# Altium PCB WunderBar_v102b _flip.PcbDoc (part 6 of 7)
Units mil, origin at the board's own origin, x right, y up, seen from the top; angles counter-clockwise.
Board outline 4556.01 x 1552 mil, 4 copper layers (Top, Route2, Route15, Bottom), stack 52.756 mil thick; 380 components, 258 nets, 1391 pads, 528 vias.
Unrouted connection lines stored in the file: 8.
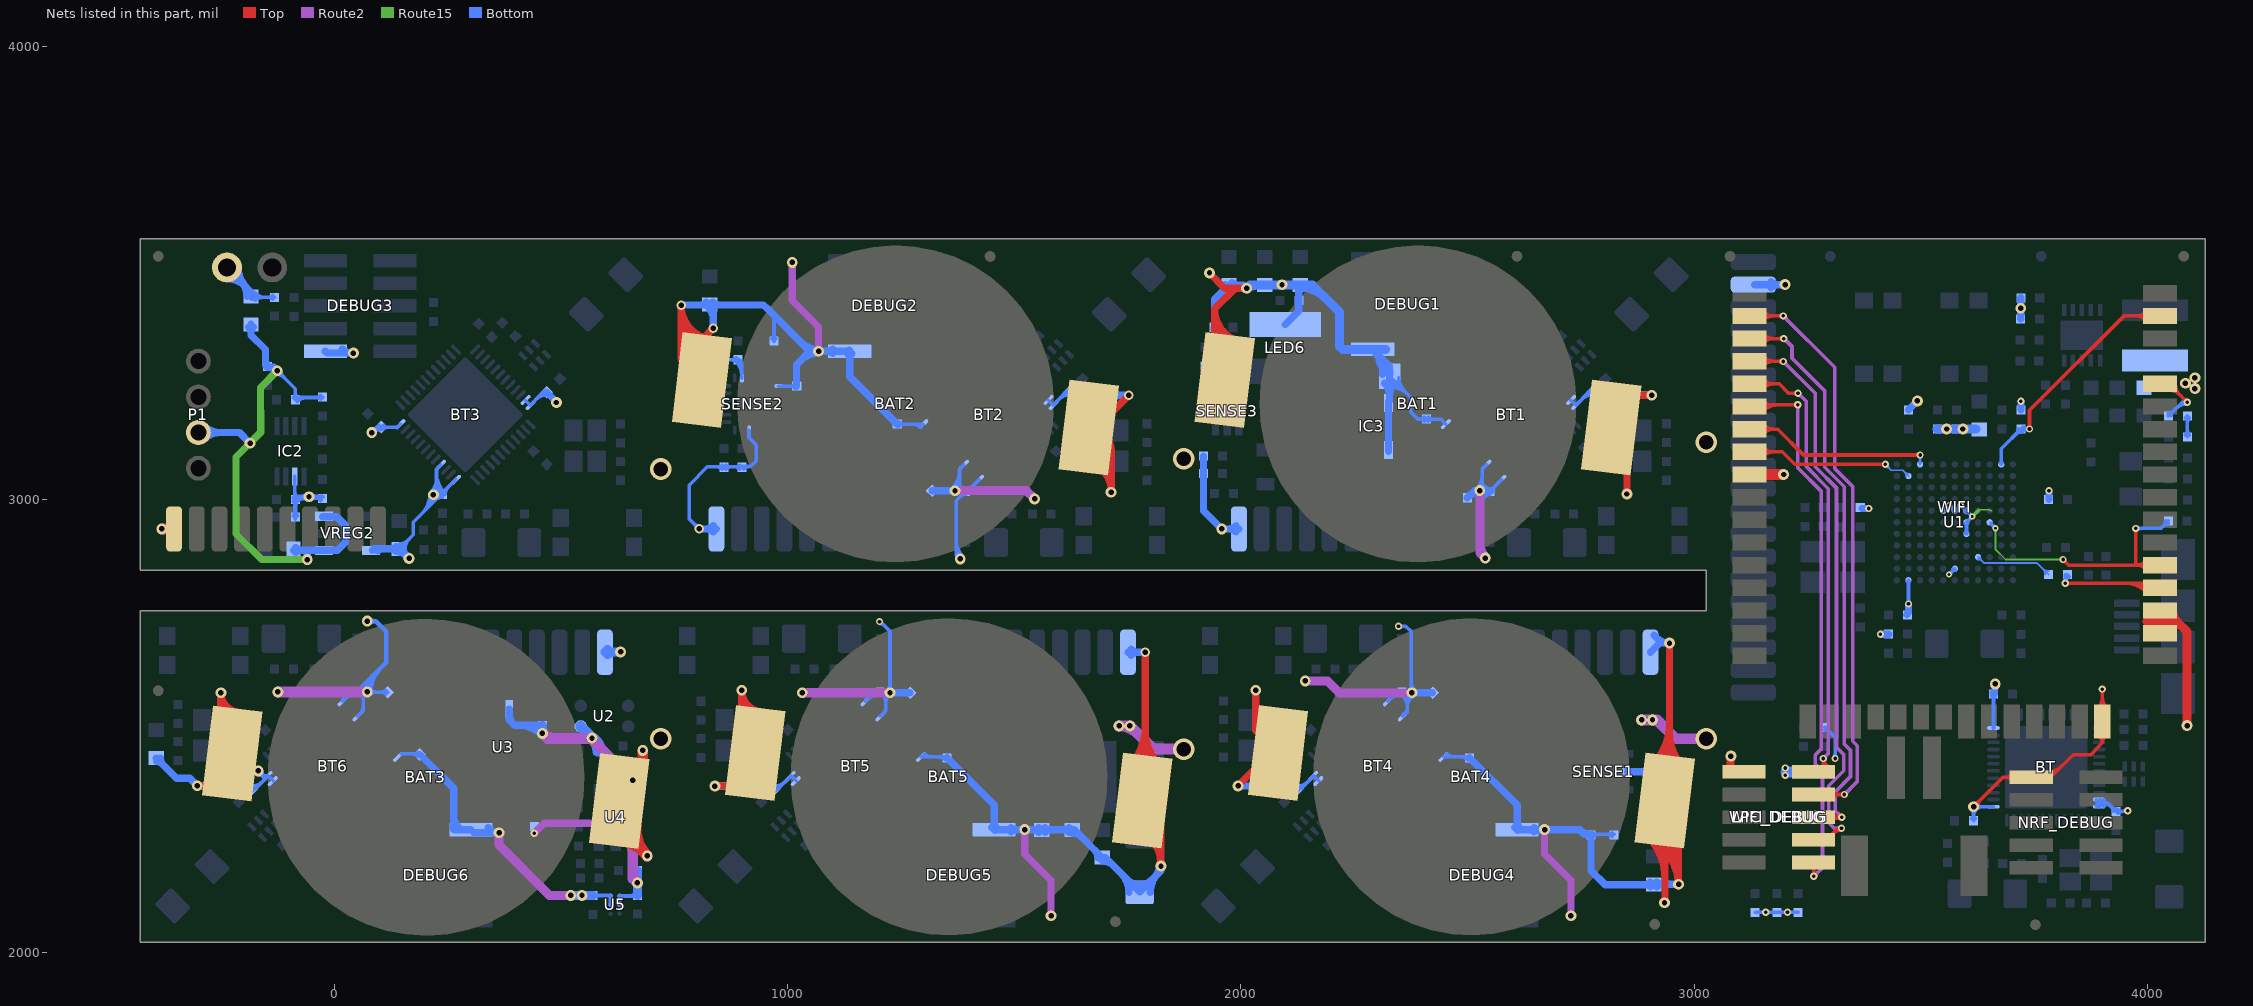
[diagram p8: the nets of this part, all layers, seen from the top]

## Via types
v1: diameter 16, hole 8, Top to Bottom, tented both sides, 282 vias
v2: diameter 24, hole 12, Top to Bottom, tented both sides, 135 vias
v3: diameter 14, hole 6, Top to Bottom, tented both sides, 34 vias
v4: diameter 48/41/41/48 (per signal layer), hole 32, Top to Bottom, 30 vias
v5: diameter 16, hole 8, Top to Route2, tented top, 18 vias
v6: diameter 21/21/21/21 (per signal layer), hole 12, Top to Bottom, tented both sides, 15 vias
v7: diameter 24, hole 12, Top to Route2, tented top, 12 vias
v8: diameter 21/21/21/21 (per signal layer), hole 12, Top to Bottom, 1 vias
v9: diameter 24, hole 8, Top to Bottom, tented both sides, 1 vias

## Nets (pads, with @x,y where several pads share a name; then routed paths per layer and width w, separated by ;. In a path a pad name is that pad's centre, name@x,y a point inside that pad or via, vN(x,y) a via of type N, cw(c..) or ccw(c..) an arc to the next point about the centre after c; other vN are vias at no path point) (continued)
VD33: BAT1.+1 BAT1.+2 BAT2.+1 BAT2.+2 BAT3.+1 BAT3.+2 BAT4.+1 BAT4.+2 BAT5.+1 BAT5.+2 BT1.1 BT1.4 BT1.12 BT1.35 BT1.36 BT2.1 BT2.4 BT2.12 BT2.35 BT2.36 BT3.1 BT3.4 BT3.12 BT3.35 BT3.36 BT4.1 BT4.4 BT4.12 BT4.35 BT4.36 BT5.1 BT5.4 BT5.12 BT5.35 BT5.36 BT6.1 BT6.4 BT6.12 BT6.35 BT6.36 BT.1 BT.12 BT.35 BT.36 C1.1 C2.1 C3.1 C4.1 C5.1 C6.1 C7.1 C10.1 C11.1 C19.1 C25.1 C27.1 C28.1 C29.1 C30.1 C31.1 C37.1 C38.1 C39.1 C41.1 C42.1 C43.1 C49.1 C50.1 C51.1 C52.1 C53.1 C59.1 C60.1 C61.1 C62.1 C63.1 C64.1 C71.1 C72.1 C73.1 C79.1 C81.1 C87.1 C89.1 C107.1 C108.1 C109.1 C110.1 C111.1 DEBUG1.1 DEBUG2.1 DEBUG3.1 DEBUG4.1 DEBUG5.1 DEBUG6.1 IC2.2 IC3.1 IC3.5 L1.2 L2.2 LED6.A LPC_DEBUG.1 NRF_DEBUG.1 PAD2.1 PAD17.1 PAD27.1 PAD37.1 PAD47.1 PAD52.1 R2.2 R6.1 R9.2 R10.2 R11.2 R12.2 R14.2 R16.2 R19.2 R20.2 R21.2 R23.2 R24.2 R27.2 R38.2 R39.2 R40.2 R41.2 R43.1 R44.2 R45.2 R54.1 R55.1 R57.1 R58.1 SENSE1.5 SENSE2.8 SENSE2.13 SENSE2.22 U1.E5 U1.E6 U1.E7 U1.F5 U1.G5 U1.K6 U1.L10 U5.2A U5.2B VD33.1 VREG2.5 WIFI.9 WIFI.31 WIFI.33 WIFI.34 WIFI_DEBUG.1 | length 25996
  Top w8: WIFI_DEBUG.1@3109.52,2399.48 3118.52,2390.48 WIFI_DEBUG.1@3150.52,2390.48 ; v2(3616.52,2322.48) 3681.52,2387.48 3786.52,2387.48 3836.52,2437.48 3875.52,2437.48 3900.52,2463.48 ; v2@3616.52,2330.48 ccw(c3616.52,2349.79) 3630.18,2336.14 ccw(c3643.83,2322.48) v2@3624.52,2322.48 ; NRF_DEBUG.1@3703.47,2379.7 ccw(c3684.69,2360.92) 3684.69,2387.48 ccw(c3684.69,2414.04) NRF_DEBUG.1@3703.47,2395.26 ; NRF_DEBUG.1@3776.25,2390.48 ccw(c3776.25,2422.52) 3798.9,2399.86 ; NRF_DEBUG.1@3776.25,2398.48 ccw(c3776.25,2449.83) 3812.56,2413.52 ; WIFI.31@3890.62,2539.88 ccw(c3866.72,2563.78) 3900.52,2563.78 ccw(c3934.32,2563.78) WIFI.31@3910.42,2539.88 ; WIFI.31@3892.28,2479.66 cw(c3880.51,2463.48) 3900.52,2463.48 ; v1@3897.69,2579.17 cw(c3890.86,2572.34) 3900.52,2572.34 cw(c3910.18,2572.34) v1@3903.35,2579.17 ; v1(3900.52,2582) WIFI.31@3900.52,2510.48 3900.52,2463.48 ; WIFI.31@3908.76,2479.66 ccw(c3920.53,2463.48) 3900.52,2463.48
  Top w16: v2(-303.1,2368.86) -278.86,2368.86 -274,2364 -274,2391.16 BAT3.+1@-225.28,2439.88 -251,2465.61 v2(-251,2574) ccw(c-207.74,2574) BAT3.+1@-213.52,2531.13 ; BAT3.+1@-280.6,2368.86 cw(c-280.6,2345.38) BAT3.+1@-263.99,2361.99 ; BAT3.+1@-251,2537.4 ccw(c-212.67,2537.4) BAT3.+1@-217.79,2499.41 ; -251,2555.7 ccw(c-210.21,2555.7) BAT3.+1@-215.65,2515.27 ; BAT3.+2@617,2323.76 BAT3.+2@628.31,2335.08 670,2376.76 670,2406 BAT3.+2@680,2416 ; BAT3.+2@650,2254 BAT3.+2@650,2319.76 ; BAT2.+2@764.52,3331.45 ccw(c820.89,3331.45) BAT2.+2@809.59,3276.22 ; 764.52,3351.05 ccw(c824.91,3351.05) BAT2.+2@812.8,3291.89 ; 764.52,3370.66 ccw(c828.92,3370.66) BAT2.+2@816.01,3307.57 ; 764.52,3390.27 ccw(c832.93,3390.27) BAT2.+2@819.22,3323.24 ; 764.52,3409.87 ccw(c836.94,3409.87) BAT2.+2@822.42,3338.92 ; BAT2.+2@825.63,3354.59 cw(c840.95,3429.48) v6(764.52,3429.48) 764.52,3309.48 810.52,3263.48 810.52,3353.48 v6(835.52,3378.48) ; v2@839.52,2368.48 874.52,2368.48 928.52,2422.48 928.52,2440.48 898.52,2470.48 v2(898.52,2579.48) ccw(c946.21,2579.48) BAT5.+1@940.17,2532.17 ; BAT5.+1@898.52,2543.13 ccw(c941.57,2543.13) BAT5.+1@936.11,2500.43 ; 898.52,2561.3 ccw(c943.89,2561.3) BAT5.+1@938.14,2516.3 ; BAT2.+1@1655.8,3083.56 cw(c1649.55,3019.9) v2@1713.52,3019.9 ; BAT2.+1@1657.36,3099.48 cw(c1651.28,3037.54) 1713.52,3037.54 ; BAT2.+1@1658.93,3115.41 cw(c1653.02,3055.19) 1713.52,3055.19 ; BAT2.+1@1660.49,3131.33 cw(c1654.75,3072.84) 1713.52,3072.84 ; BAT2.+1@1662.06,3147.25 cw(c1656.48,3090.49) 1713.52,3090.49 ; BAT2.+1@1663.62,3163.18 cw(c1658.21,3108.14) 1713.52,3108.14 ; v2(1713.52,3016.48) 1713.52,3109.48 1664.52,3158.48 1680.52,3158.48 v6(1752.52,3230.48) ; BAT5.+2@1754.56,2413.98 ccw(c1672.59,2495.95) 1788.52,2495.95 ; BAT5.+2@1765.88,2402.66 ccw(c1711.22,2457.32) 1788.52,2457.32 ; BAT5.+2@1771.82,2260.82 cw(c1761.84,2199.95) v2@1823.52,2199.95 ; BAT5.+2@1774.4,2276.61 cw(c1764.93,2218.79) 1823.52,2218.79 ; BAT5.+2@1776.99,2292.4 cw(c1768.01,2237.62) BAT5.+2@1823.52,2237.62 ; BAT5.+2@1779.58,2308.19 cw(c1771.1,2256.46) BAT5.+2@1823.52,2256.46 ; 1788.52,2453.84 ccw(c1860.9,2453.84) BAT5.+2@1809.72,2402.66 ; 1788.52,2492.47 ccw(c1899.53,2492.47) BAT5.+2@1821.03,2413.98 ; v8(1788.52,2663.48) 1788.52,2342.48 1782.52,2335.48 1823.52,2294.48 v2(1823.52,2191.48) ; v2@1820.06,2193.48 ccw(c1805.21,2202.05) 1821.77,2206.49 ; v2(1930.52,3500.48) 1963.52,3466.48 v2(2012.52,3466.48) 1987.52,3466.48 1941.52,3421.48 ; 1941.52,3373.09 ccw(c1996.66,3373.09) BAT1.+2@1975.08,3322.35 ; 1941.52,3397.28 ccw(c2006.95,3397.28) BAT1.+2@1981.34,3337.08 ; BAT1.+2@1963.52,3263.48 1941.52,3285.48 1941.52,3421.48 ; BAT1.+2@1987.6,3351.8 cw(c2017.23,3421.48) 1941.52,3421.48 ; v2(1993.52,2368.48) 2065.52,2440.48 2082.52,2440.48 2032.52,2490.48 v2(2032.52,2579.48) ; v2(2851.52,3012.48) 2851.52,3124.48 2817.52,3158.48 2817.52,3182.48 2865.52,3230.48 v2(2906.52,3230.48) ; BAT4.+2@2896.6,2258.18 cw(c2802.63,2164.21) 2935.52,2164.21 ; BAT4.+2@2906.04,2250.88 cw(c2845.09,2147.01) v2@2965.52,2147.01 ; BAT4.+2@2907.56,2413.98 ccw(c2815.93,2505.61) 2945.52,2505.61 ; BAT4.+2@2907.91,2269.49 cw(c2841.25,2202.84) 2935.52,2202.84 ; BAT4.+2@2914.14,2264.68 cw(c2861.48,2174.95) 2965.52,2174.95 ; BAT4.+2@2918.88,2402.66 ccw(c2854.56,2466.98) 2945.52,2466.98 ; BAT4.+2@2922.24,2278.48 cw(c2877.88,2202.89) 2965.52,2202.89 ; BAT4.+2@2930.34,2292.27 cw(c2894.28,2230.83) 2965.52,2230.83 ; v2@2931.69,2113.31 ccw(c2922.45,2122.55) 2935.52,2122.55 ; v2(2934.52,2110.48) 2935.52,2112.48 BAT4.+2@2935.52,2335.48 ; 2935.52,2191.68 cw(c3029.56,2191.68) BAT4.+2@2963.06,2258.18 ; 2935.52,2230.31 cw(c2990.94,2230.31) BAT4.+2@2951.75,2269.49 ; 2945.52,2444.18 ccw(c3004.24,2444.18) BAT4.+2@2962.72,2402.66 ; 2945.52,2482.81 ccw(c3042.87,2482.81) BAT4.+2@2974.03,2413.98 ; v2(2945.52,2683.48) 2945.52,2345.48 BAT4.+2@2935.52,2335.48 ; v2(2965.52,2151.48) 2965.52,2305.48 BAT4.+2@2935.52,2335.48 ; WIFI_DEBUG.1@3072.3,2404.43 ccw(c3051.38,2425.35) v2@3080.96,2425.35 ; v2@3077.5,2432.33 cw(c3062.26,2423.54) 3079.26,2418.98 ; WIFI_DEBUG.1@3080.96,2398.18 v2(3080.96,2434.33)
  Top w20: 3999,2731 4065,2731 ; WIFI.34@4055.51,2755.18 ccw(c4087.95,2753.96) 4065,2731 ; WIFI.34@4055.52,2755.48 ccw(c4091.73,2755.48) 4066.13,2729.87 ; v2(4087.52,2501.48) 4087.52,2708.48 4065,2731
  Top w24: v2(-381.48,2935.48) PAD47.1@-354.13,2935.48 ; BAT3.+2@622.83,2247.41 cw(c622.83,2165.91) 680.46,2223.54 ; BAT3.+2@650,2254 v2(690,2214) cw(c750.67,2274.67) BAT3.+2@665.51,2285.16 ; BAT3.+2@680,2416 v2(680,2446.7) ; WIFI.9@3122.52,3055.48 v2(3197.52,3055.48)
  Route2 w16: v2(1010,3523.48) 1010,3439.48 1068,3381.48 v7(1068,3327.48) ; v7(1523,2272) 1523,2218 1581,2160 v2(1581,2082) ; v7(2670,2272) 2670,2218 2728,2160 v2(2728,2082)
  Route2 w20: v7(363,2265) 363,2238 474,2127 v2(521,2127) ; v2(1032.02,2574.02) v7(1225.52,2574.02) ; v7(1369,3019.77) 1526.5,3019.77 v2(1544.5,3001.77) ; v2(2141.73,2600) 2190.6,2600 2216.73,2573.87 v7(2377.22,2573.87) ; 2527,2904.8 ccw(c2572.8,2904.8) v2@2540.41,2872.41 ; v7(2527,3019.95) 2527,2883 v2(2539,2871)
  Route2 w24: v2@-125,2575.91 v7(72,2575.91) ; 1771.97,2484.03 ccw(c1731,2443.06) v2(1731,2501) v2(1755,2501) 1806.52,2449.48 v4(1873.52,2449.48) ; v4@1867.51,2443.47 ccw(c1853,2428.96) 1853,2449.48 ccw(c1853,2470) v4@1867.51,2455.49 ; v2(2884,2514) 2918,2514 2959.52,2472.48 v4(3026.52,2472.48) ; v2(2908,2514) cw(c2908,2489.86) 2925.07,2506.93 ; v4@3020.51,2466.47 ccw(c3006,2451.96) 3006,2472.48 ccw(c3006,2493) v4@3020.51,2478.49
  Route15 w4: 3627.23,2976.48 3628.42,2977.68 3651.32,2977.68 3653.4,2975.6 3656.51,2975.6
  Route15 w8: v3(3613.6,2962.85) 3627.23,2976.48
  Bottom w8: C71.1@-181.86,2368.1 ccw(c-181.86,2399.48) -159.67,2377.29 ; C71.1@-181.48,2362.48 -174.48,2362.48 BT6.36@-146.48,2390.48 ; v2@-168.62,2393.48 cw(c-168.9,2376.6) BT6.36@-154.66,2385.67 ; v2(-168.48,2401.48) -156.48,2390.48 ; v2@-168.13,2393.49 cw(c-167.43,2377.26) BT6.36@-153.73,2385.99 ; v2@-167.11,2393.6 cw(c-164.97,2381.22) -156.48,2390.48 ; v2@-166.74,2393.67 cw(c-164.49,2383.53) -155.72,2389.11 ; v2@-165.4,2394.1 cw(c-163.3,2389.04) -158.68,2391.98 ; v2@-160.51,2400.8 ccw(c-147.99,2399.74) -156.48,2390.48 ; -159.48,2393.23 cw(c-169.25,2382.57) -154.8,2383.2 ccw(c-161.58,2385.46) -156.75,2390.73 ; BT6.35@-135.48,2379.48 BT6.36@-146.48,2390.48 ; R44.2@-90.72,3004.72 ccw(c-98.55,3012.55) -87.48,3012.55 ; -87.48,3017.38 ccw(c-69.58,3017.38) R44.2@-82.24,3004.72 ; IC2.2@-87.48,3051.48 -87.48,3001.48 R44.2@-86.48,3000.48 -85.48,2999.48 R44.2@-81.48,3003.48 ; R45.2@-86.48,2956.48 R45.2@-86.48,2961.48 ; BT6.1@17.13,2555.12 40.2,2578.2 47.33,2578.2 C73.1@51.15,2582.02 ; BT6.1@20.09,2558.09 cw(c49.33,2528.85) 49.33,2570.2 cw(c49.33,2555.72) 59.57,2565.96 cw(c69.82,2576.2) C73.1@55.33,2576.2 ; 33.75,2571.75 cw(c49.33,2556.17) C73.1@49.33,2578.2 ; C73.1@49.33,2576.2 C73.1@49.62,2575.91 ; BT6.4@50.36,2521.89 63,2534.53 63,2562.53 50.09,2575.45 R43.1@117.38,2575.45 ; C73.1@51.56,2575.45 ccw(c51.56,2596.36) 66.34,2581.57 ; C73.1@53.57,2571.96 cw(c62,2563.54) 62,2575.45 ; C73.1@53.57,2580.44 ccw(c65.64,2592.51) 65.64,2575.45 ; C73.1@53.82,2575.45 cw(c53.82,2557.73) 66.34,2570.26 ; BT6.4@57.43,2528.96 ccw(c43.99,2542.4) 63,2542.4 ; 64.68,2579.15 cw(c57.62,2582.27) 59.62,2574.81 cw(c60.77,2570.49) 64.8,2572.44 ; 77.66,2570.26 cw(c90.18,2557.73) 90.18,2575.45 ; 77.66,2581.57 ccw(c92.44,2596.36) 92.44,2575.45 ; v2@82.1,3155.83 ccw(c82.1,3175.14) 95.75,3161.48 ccw(c109.41,3147.83) v2@90.1,3147.83 ; v2@86.94,3154.19 ccw(c89.99,3158.21) 92.51,3153.84 ccw(c95.03,3149.47) v2@90.03,3148.84 ; C63.1@98.62,3164.35 v2(82.1,3147.83) cw(c98.53,3131.4) C63.1@101.78,3154.4 ; C63.1@102.62,3160.35 137.65,3159.14 BT3.12@145.52,3166.48 ; C63.1@106.71,3155.96 cw(c116.59,3145.37) 117.09,3159.85 cw(c117.59,3174.32) C63.1@107,3164.44 ; R43.1@113.13,2571.2 ccw(c102.89,2560.96) 102.89,2575.45 ccw(c102.89,2589.93) R43.1@113.13,2579.69 ; C87.1@142.52,2891.48 173.52,2922.48 173.52,2950.48 C64.1@233.82,3010.78 ; C87.1@144.02,2902.48 ccw(c144.02,2925.42) 160.24,2909.2 ; BT6.12@146.89,2439.36 147.25,2439 C72.1@188.36,2439 ; C87.1@155.52,2890.98 cw(c188.11,2890.98) 165.07,2914.03 ; 170.76,2439 cw(c170.76,2420.11) C72.1@184.12,2433.47 ; C72.1@176.99,2439 ccw(c176.99,2449.08) C72.1@184.12,2441.95 ; 193.36,2970.32 ccw(c152.9,3010.78) v2@210.12,3010.78 ; 207.02,2983.98 ccw(c180.21,3010.78) v2(218.12,3010.78) ccw(c201.51,3027.39) 225,3027.39 ; v2@212.46,3016.44 ccw(c182.19,3046.71) 225,3046.71 ; 220.67,2997.63 ccw(c207.53,3010.78) v2@226.12,3010.78 ; 222.01,2998.97 cw(c238.19,2982.78) C64.1@238.19,3005.67 ; v2@225,3010.78 225,3067.39 BT3.4@234.68,3077.07 ; v2@225,3019.37 ccw(c245.89,3019.37) C64.1@231.12,3004.6 ; 225,3038.68 ccw(c265.2,3038.68) C64.1@236.77,3010.26 ; 225,3058 ccw(c284.52,3058) C64.1@242.43,3015.91 ; 225,3063.7 cw(c233.91,3063.7) BT3.4@227.61,3070 ; C64.1@236.45,3013.41 BT3.1@267.52,3044.48 ; C64.1@244.19,3011.67 cw(c267.08,3011.67) 250.89,3027.85 ; DEBUG6.1@301.28,2271.49 DEBUG6.1@307.77,2265 ; BT3.35@420.52,3219.48 431.52,3208.48 460.52,3237.48 467.52,3237.48 C62.1@473.52,3230.48 ; 444,3220.97 cw(c467.9,3197.07) C62.1@467.9,3230.86 ; C62.1@457.66,3234.62 cw(c467.9,3224.38) C62.1@467.9,3238.86 ; U5.2A@608.17,2126.67 U5.2A@609.16,2125.68 ; v6@759.92,3424.88 cw(c748.83,3413.79) 764.52,3413.79 cw(c780.21,3413.79) v6@769.12,3424.88 ; v6(764.52,3429.48) 764.52,3329.48 785.52,3308.48 890.52,3308.48 898.52,3300.48 SENSE2.8@898.52,3268.48 ; v6@798.02,2935.48 ccw(c782.33,2935.48) 793.42,2946.58 ccw(c804.52,2957.67) v6@804.52,2941.98 ; v6(804.52,2935.48) 782.52,2957.48 782.52,3031.48 822.52,3072.48 898.52,3072.48 899.52,3073.48 918.52,3073.48 930.52,3085.48 930.52,3120.48 914.52,3136.48 SENSE2.22@914.52,3153.48 ; 842.62,3072.48 cw(c842.62,3054.58) R20.2@855.28,3067.24 ; 847.45,3072.48 ccw(c847.45,3083.55) R20.2@855.28,3075.72 ; R20.2@863.76,3067.24 cw(c876.42,3054.58) 876.42,3072.48 ; R20.2@863.76,3075.72 ccw(c871.59,3083.55) 871.59,3072.48 ; 875.24,3308.48 ccw(c875.24,3324.09) C39.1@886.28,3313.05 ; 876.83,3308.48 cw(c876.83,3295.12) 886.28,3304.57 cw(c856.72,3275.01) SENSE2.8@898.52,3275.01 ; 881.62,3072.48 cw(c881.62,3054.58) R19.2@894.28,3067.24 ; 886.45,3072.48 ccw(c886.45,3083.55) R19.2@894.28,3075.72 ; C39.1@891.93,3310.23 cw(c876.03,3294.33) 898.52,3294.33 ; R19.2@902.76,3067.24 cw(c917.83,3052.17) 917.83,3073.48 ; 961.52,3415.48 969.52,3406.48 R21.2@969.52,3349.48 ; R21.2@965.28,3354.72 ccw(c955.03,3364.97) 969.52,3364.97 ccw(c984.01,3364.97) R21.2@973.76,3354.72 ; C51.1@971.24,2368.09 ccw(c971.79,2399.14) 993.35,2376.8 ; C51.1@971.52,2362.48 978.52,2362.48 1007.52,2390.48 BT5.35@1018.52,2379.48 ; SENSE2.13@979.52,3250.48 C38.1@1019.52,3250.48 ; C38.1@1015.61,3246.24 ccw(c1005.37,3235.99) 1005.37,3250.48 ccw(c1005.37,3264.97) C38.1@1015.61,3254.72 ; BT5.1@1171.13,2555.12 1191.77,2575.76 ; BT5.1@1173.49,2557.48 cw(c1203.14,2527.83) C53.1@1203.14,2569.76 ; 1187.14,2571.14 cw(c1203.14,2555.14) C53.1@1203.14,2577.76 ; C53.1@1198.18,2572.38 ccw(c1191.77,2567.99) 1191.77,2575.76 ; C53.1@1198.18,2579.15 cw(c1191.77,2583.54) 1191.77,2575.76 ; v1@1202.52,2727 cw(c1202.52,2713.77) 1211.88,2723.12 ; v1(1202.52,2731) 1204,2731 1225.52,2709.48 v7(1225.52,2574.02) ; C53.1@1203.14,2575.76 1191.77,2575.76 ; BT5.4@1204.36,2521.89 1216.44,2533.97 1216.44,2573.46 1217,2574.02 ; C53.1@1204.49,2577.24 cw(c1179.61,2550.08) 1216.44,2550.08 ; BT5.4@1211.43,2528.96 ccw(c1199.34,2541.05) 1216.44,2541.05 ; 1216.44,2552.19 cw(c1247.23,2552.19) v7(1225.52,2574.02) ; 1219.86,2579.68 ccw(c1206.21,2593.34) 1225.52,2593.34 ccw(c1244.83,2593.34) 1231.18,2579.68 ; 1225.52,2571 v7(1225.52,2574.02) ; C30.1@1241.52,3166.48 BT2.12@1298.52,3166.48 ; C30.1@1245.76,3162.57 cw(c1255.21,3153.12) 1255.21,3166.48 ; C30.1@1245.76,3171.05 ccw(c1256.8,3182.09) 1256.8,3166.48 ; 1275.3,3166.48 cw(c1275.3,3142.75) BT2.12@1292.08,3159.53 ; BT5.12@1293.52,2432.48 1349.52,2432.48 C52.1@1351.52,2430.48 ; BT2.12@1294.61,3166.48 cw(c1294.61,3162.06) BT2.12@1297.74,3165.19 ; BT5.12@1295.3,2433.77 ccw(c1298.43,2436.9) BT5.12@1298.43,2432.48 ; BT5.12@1300.96,2439.43 ccw(c1317.74,2456.21) 1317.74,2432.48 ; 1331.41,2432.48 cw(c1331.41,2410.04) C52.1@1347.28,2425.91 ; 1363.34,3025.42 ccw(c1325.5,3063.26) 1379.02,3063.26 ; v7(1369,3019.77) ccw(c1344.82,3043.95) 1379.02,3043.95 ; 1371.52,2891.21 ccw(c1402.25,2891.21) v2(1380.52,2869.48) 1371.52,2878.48 ; 1371.52,2910.52 ccw(c1421.56,2910.52) v2@1386.18,2875.14 ; v2@1372.97,2872.12 ccw(c1367.19,2874.15) 1371.52,2878.48 ; v2@1377.88,2877.03 cw(c1375.85,2882.81) 1371.52,2878.48 ; 1379.02,3063.74 cw(c1387.87,3063.74) BT2.4@1381.61,3070 ; BT2.4@1388.68,3077.07 1379.02,3067.41 1379.02,3031.36 C31.1@1390.61,3019.77 ; C31.1@1392.19,3012.19 ccw(c1392.19,2997.7) 1381.95,3007.95 ccw(c1371.7,3018.19) 1386.19,3018.19 ccw(c1371.7,3018.19) 1381.95,3028.43 ccw(c1392.19,3038.67) 1392.19,3024.19 ccw(c1392.19,3048.51) 1409.39,3031.31 ; BT2.1@1421.91,3043.84 1396.26,3018.19 C31.1@1392.19,3018.19 1371.52,2997.52 1371.52,2878.48 ; BT2.35@1574.52,3219.48 1585.52,3208.48 1613.52,3237.48 1620.52,3237.48 C29.1@1627.52,3230.48 ; 1597.09,3220.46 cw(c1621.61,3196.79) C29.1@1621.01,3230.87 ; C29.1@1610.5,3234.36 cw(c1621.13,3224.1) C29.1@1620.87,3238.86 ; R12.2@1936.28,3376.24 cw(c1926.03,3365.99) 1940.52,3365.99 cw(c1955.01,3365.99) R12.2@1944.76,3376.24 ; R12.2@1940.52,3380.48 1940.52,3354.48 R6.1@1959.52,3336.48 ; 1948.75,3346.68 cw(c1938.22,3335.57) R6.1@1953.52,3335.99 ; R6.1@1949.59,3345.89 ccw(c1958.99,3355.81) R6.1@1959.36,3342.15 ; C41.1@2118.52,2368.48 2125.52,2362.48 2132.52,2362.48 2160.52,2390.48 BT4.35@2171.52,2379.48 ; C41.1@2125.14,2368.1 ccw(c2125.14,2399.48) 2147.33,2377.29 ; BT4.1@2324.13,2555.12 2344.62,2575.62 ; BT4.1@2327.15,2558.14 cw(c2354.84,2530.45) C43.1@2354.84,2569.62 ; L2.2@2328.52,3248.48 cw(c2328.52,3190.54) 2369.49,3231.51 ; L2.2@2328.52,3256.48 cw(c2328.52,3217.85) 2355.83,3245.17 ; L2.2@2328.52,3272.48 2374.78,3226.22 2374.78,3193.41 2390.35,3177.85 C2.1@2409.13,3177.85 2440.9,3177.85 BT1.12@2452.15,3166.6 ; 2340.8,2571.8 cw(c2354.84,2557.76) C43.1@2354.84,2577.62 ; v1(2347.52,2720.48) 2363.52,2720.48 2375.52,2709.48 2375.52,2571 ; L2.2@2348.52,3268.48 ccw(c2387.15,3268.48) 2359.83,3241.17 ; C43.1@2349.6,2572.69 ccw(c2344.62,2569.91) 2344.62,2575.62 ; C43.1@2349.6,2578.54 cw(c2344.62,2581.32) 2344.62,2575.62 ; v1@2350.35,2717.65 cw(c2357.18,2710.82) 2357.18,2720.48 cw(c2357.18,2730.14) v1@2350.35,2723.31 ; C43.1@2351.77,2570.46 cw(c2335.83,2543.68) 2367,2543.68 ; C43.1@2355.86,2577.33 cw(c2344.21,2557.75) 2367,2557.75 ; C43.1@2357.31,2573.96 2355.66,2575.62 2344.62,2575.62 ; BT4.4@2357.36,2521.89 2357.36,2524.85 2367.02,2534.51 ; 2366.53,2534.02 ccw(c2371.58,2528.96) BT4.4@2364.43,2528.96 ; 2367.02,2535.22 cw(c2358.17,2535.22) BT4.4@2364.43,2528.96 ; 2367,2544.26 cw(c2392.17,2544.26) 2380.83,2566.73 ; 2367.02,2546.06 2367.02,2534.51 ; 2367,2546.08 2367,2573.96 ; 2367,2557.26 cw(c2385.61,2557.26) v7(2377.22,2573.87) ; 2371.57,2579.53 ccw(c2362.03,2589.07) 2375.52,2589.07 ; 2375.52,2597.3 ccw(c2400.65,2597.3) 2382.88,2579.53 ; C2.1@2404.89,3173.61 ccw(c2394.65,3163.36) 2394.65,3177.85 ccw(c2394.65,3192.33) C2.1@2404.89,3182.09 ; C2.1@2413.38,3173.61 cw(c2423.62,3163.36) 2423.62,3177.85 cw(c2423.62,3192.33) C2.1@2413.38,3182.09 ; BT4.12@2447.52,2432.48 2503.52,2432.48 C42.1@2504.52,2430.48 ; BT4.12@2448.3,2433.77 ccw(c2451.43,2436.9) BT4.12@2451.43,2432.48 ; BT4.12@2453.96,2439.43 ccw(c2470.74,2456.21) 2470.74,2432.48 ; 2484.41,2432.48 cw(c2484.41,2410.04) C42.1@2500.28,2425.91 ; 2521.34,3025.61 ccw(c2495.62,3051.33) 2532,3051.33 ; 2525.89,3027.87 ccw(c2524.91,3034.9) 2532,3034.9 ; v7(2527,3019.95) ccw(c2514.93,3032.02) 2532,3032.02 ; v2@2531.17,2872.62 ccw(c2521.64,2874.6) 2528.52,2881.48 ; 2532,3063.7 cw(c2540.91,3063.7) BT1.4@2534.61,3070 ; v2@2537.38,2878.83 cw(c2535.4,2888.36) 2528.52,2881.48 ; v2(2539,2871) 2528.52,2881.48 ; BT1.4@2541.68,3077.07 2532,3067.39 2532,3034.9 ; C19.1@2546.95,3019.95 2532,3034.9 ; C19.1@2549.19,3011.71 ccw(c2549.19,2997.22) 2538.95,3007.47 ccw(c2528.7,3017.71) 2543.19,3017.71 ccw(c2528.7,3017.71) 2538.95,3027.95 ccw(c2549.19,3038.19) 2549.19,3023.71 ccw(c2549.19,3037.22) C19.1@2558.74,3027.67 ; C19.1@2555.19,3017.71 cw(c2570.65,3017.71) 2559.72,3028.64 ; BT1.1@2574.91,3043.84 2549.19,3018.11 C19.1@2549.19,3017.71 2528.52,2997.04 2528.52,2881.48 ; BT1.35@2727.52,3219.48 2739.52,3208.48 2767.52,3237.48 2774.52,3237.48 C1.1@2780.52,3230.48 ; 2751.09,3220.46 cw(c2775.61,3196.79) C1.1@2775.01,3230.87 ; C1.1@2764.5,3234.36 cw(c2775.13,3224.1) C1.1@2774.87,3238.86 ; R23.2@2772.52,2261.48 R24.2@2823.52,2261.48 ; R23.2@2776.76,2256.24 cw(c2789.42,2243.58) 2789.42,2261.48 ; R23.2@2776.76,2264.72 ccw(c2784.59,2272.55) 2784.59,2261.48 ; 2806.62,2261.48 cw(c2806.62,2243.58) R24.2@2819.28,2256.24 ; 2811.45,2261.48 ccw(c2811.45,2272.55) R24.2@2819.28,2264.72 ; R38.2@3134.52,2089.48 v1(3158,2089.48) R39.2@3182.52,2089.48 v1(3206,2089.48) R14.2@3229.52,2089.48 ; R41.2@3288.52,2491.48 cw(c3288.52,2476.99) 3298.76,2487.24 cw(c3309.01,2497.48) R41.2@3294.52,2497.48 ; R41.2@3288.52,2497.48 3311,2475 v1(3311,2429) ; v1@3308.17,2431.83 ccw(c3301.34,2438.66) 3311,2438.66 ccw(c3320.66,2438.66) v1@3313.83,2431.83 ; C3.1@3464.91,2745.48 C3.1@3467.91,2748.48 ; v1@3470.17,2772.83 ccw(c3463.69,2779.31) 3472.86,2779.31 ; U1.L10@3470.73,2819.96 cw(c3465.61,2814.84) 3472.86,2814.84 cw(c3480.1,2814.84) U1.L10@3474.98,2819.96 ; v1@3472.86,2762.05 U1.L10@3472.86,2822.08 ; 3472.86,2780.01 ccw(c3483.01,2780.01) v1@3475.83,2772.83 ; U1.E7@3549.64,2975.61 v3(3562.4,2988.38) U1.E6@3575.22,2975.6 v3(3587.99,2988.38) U1.E5@3600.82,2975.61 ; U1.E7@3549.64,2978.61 ccw(c3549.64,2985.85) 3554.75,2980.73 ccw(c3559.88,2975.61) U1.E7@3552.64,2975.61 ; v3@3559.4,2988.38 cw(c3552.15,2988.38) 3557.27,2983.25 cw(c3562.4,2978.13) 3562.4,2985.38 cw(c3562.4,2978.11) 3567.53,2983.25 ; v3(3562.43,2834.84) U1.K6@3575.23,2847.64 ; v3@3562.43,2837.84 ccw(c3562.43,2845.06) 3567.54,2839.95 ; v3@3565.4,2988.38 ccw(c3572.61,2988.38) 3567.51,2983.27 ; v3@3565.43,2834.84 cw(c3572.7,2834.84) 3567.56,2839.98 ; 3570.04,2980.75 ccw(c3575.22,2985.93) 3575.22,2978.6 ccw(c3575.22,2985.82) 3580.32,2980.71 ; 3570.08,2842.5 ccw(c3564.93,2847.65) U1.K6@3572.22,2847.65 ; 3570.12,2980.66 cw(c3565.06,2975.6) U1.E6@3572.22,2975.6 ; 3570.13,2842.54 cw(c3575.22,2837.45) U1.K6@3575.22,2844.65 ; U1.E6@3578.22,2975.6 cw(c3585.49,2975.6) 3580.35,2980.74 ; v3@3584.99,2988.38 cw(c3577.74,2988.38) 3582.86,2983.25 cw(c3587.99,2978.13) 3587.99,2985.38 cw(c3587.99,2978.11) 3593.12,2983.25 cw(c3598.2,2988.38) v3@3590.99,2988.38 ; 3595.59,2980.78 ccw(c3600.82,2986.02) U1.E5@3600.82,2978.61 ; 3595.75,2980.62 cw(c3590.75,2975.61) U1.E5@3597.82,2975.61 ; U1.G5@3598.7,2926.58 ccw(c3593.58,2931.7) 3600.82,2931.7 ccw(c3608.07,2931.7) U1.G5@3602.95,2926.58 ; U1.F5@3598.7,2947.91 cw(c3593.58,2942.79) 3600.82,2942.79 cw(c3608.07,2942.79) U1.F5@3602.95,2947.91 ; U1.G5@3600.82,2924.46 U1.F5@3600.82,2950.03 3613.6,2962.84 U1.E5@3600.82,2975.61 ; v2@3610.86,2316.82 cw(c3597.21,2303.17) 3616.52,2303.17 cw(c3635.83,2303.17) 3622.18,2316.82 cw(c3635.83,2303.17) 3635.83,2322.48 cw(c3635.83,2341.79) v2@3622.18,2328.14 ; C5.1@3611.95,2295.72 ccw(c3600.91,2306.76) 3616.52,2306.76 ; C5.1@3616.52,2291.48 v2(3616.52,2322.48) BT.1@3660.38,2322.48 ; 3616.52,2305.17 ccw(c3629.88,2305.17) C5.1@3620.43,2295.72 ; C7.1@3656.14,2567.24 cw(c3645.55,2556.65) 3660.52,2556.65 ; BT.12@3660.52,2496.09 C7.1@3660.52,2571.48 ; 3660.52,2557.34 cw(c3674.52,2557.34) C7.1@3664.62,2567.24 ; BT.36@3887.57,2323.76 cw(c3894.85,2323.18) 3894.85,2330.48 cw(c3894.85,2337.78) BT.35@3887.57,2337.2 ; 3893,2330.48 3912.19,2330.48 ; BT.36@3895.55,2323.12 cw(c3903.52,2322.48) 3903.52,2330.48 cw(c3903.52,2338.48) BT.35@3895.55,2337.84 ; BT.36@3903.52,2322.48 cw(c3912.19,2321.78) 3912.19,2330.48 ; BT.35@3903.52,2338.48 ccw(c3912.19,2339.18) 3912.19,2330.48 ; C6.1@3924.52,2312.15 ccw(c3910.03,2312.15) 3920.28,2322.39 ccw(c3930.52,2332.63) C6.1@3930.52,2318.15 ; C6.1@3926.52,2316.48 C6.1@3930.52,2312.48 ; C6.1@3934.76,2307.91 cw(c3945.01,2297.66) 3945.01,2312.15 cw(c3945.01,2326.63) C6.1@3934.76,2316.39 ; 3943.65,2312.15 ccw(c3943.65,2326.35) v1@3953.69,2316.31 ; v1@3956.52,2312.15 C6.1@3930.52,2312.15 3912.19,2330.48 ; -156.48,2390.48 BT6.36@-146.48,2390.48 ; BT4.4@2364.43,2528.96 ccw(c2359.78,2534.51) 2367.02,2534.51 ; v2@-160.67,2399.75 ccw(c-152.35,2397.9) -159.54,2393.32 cw(c-152.35,2397.9) v2@-160.67,2399.75